# Altium PCB EPS.PcbDoc (part 11 of 11)
Units mm, origin at the board's own origin, x right, y up, seen from the top; angles counter-clockwise.
Board outline 90.25 x 93.64 mm, 8 copper layers (Top Layer, PGND, Power, Control Signals 1, Control Signals 2, Signal 1, Signal 2, Bottom Layer), stack 1.637 mm thick; 941 components, 557 nets, 2694 pads, 869 vias.
Unrouted connection lines stored in the file: 2.
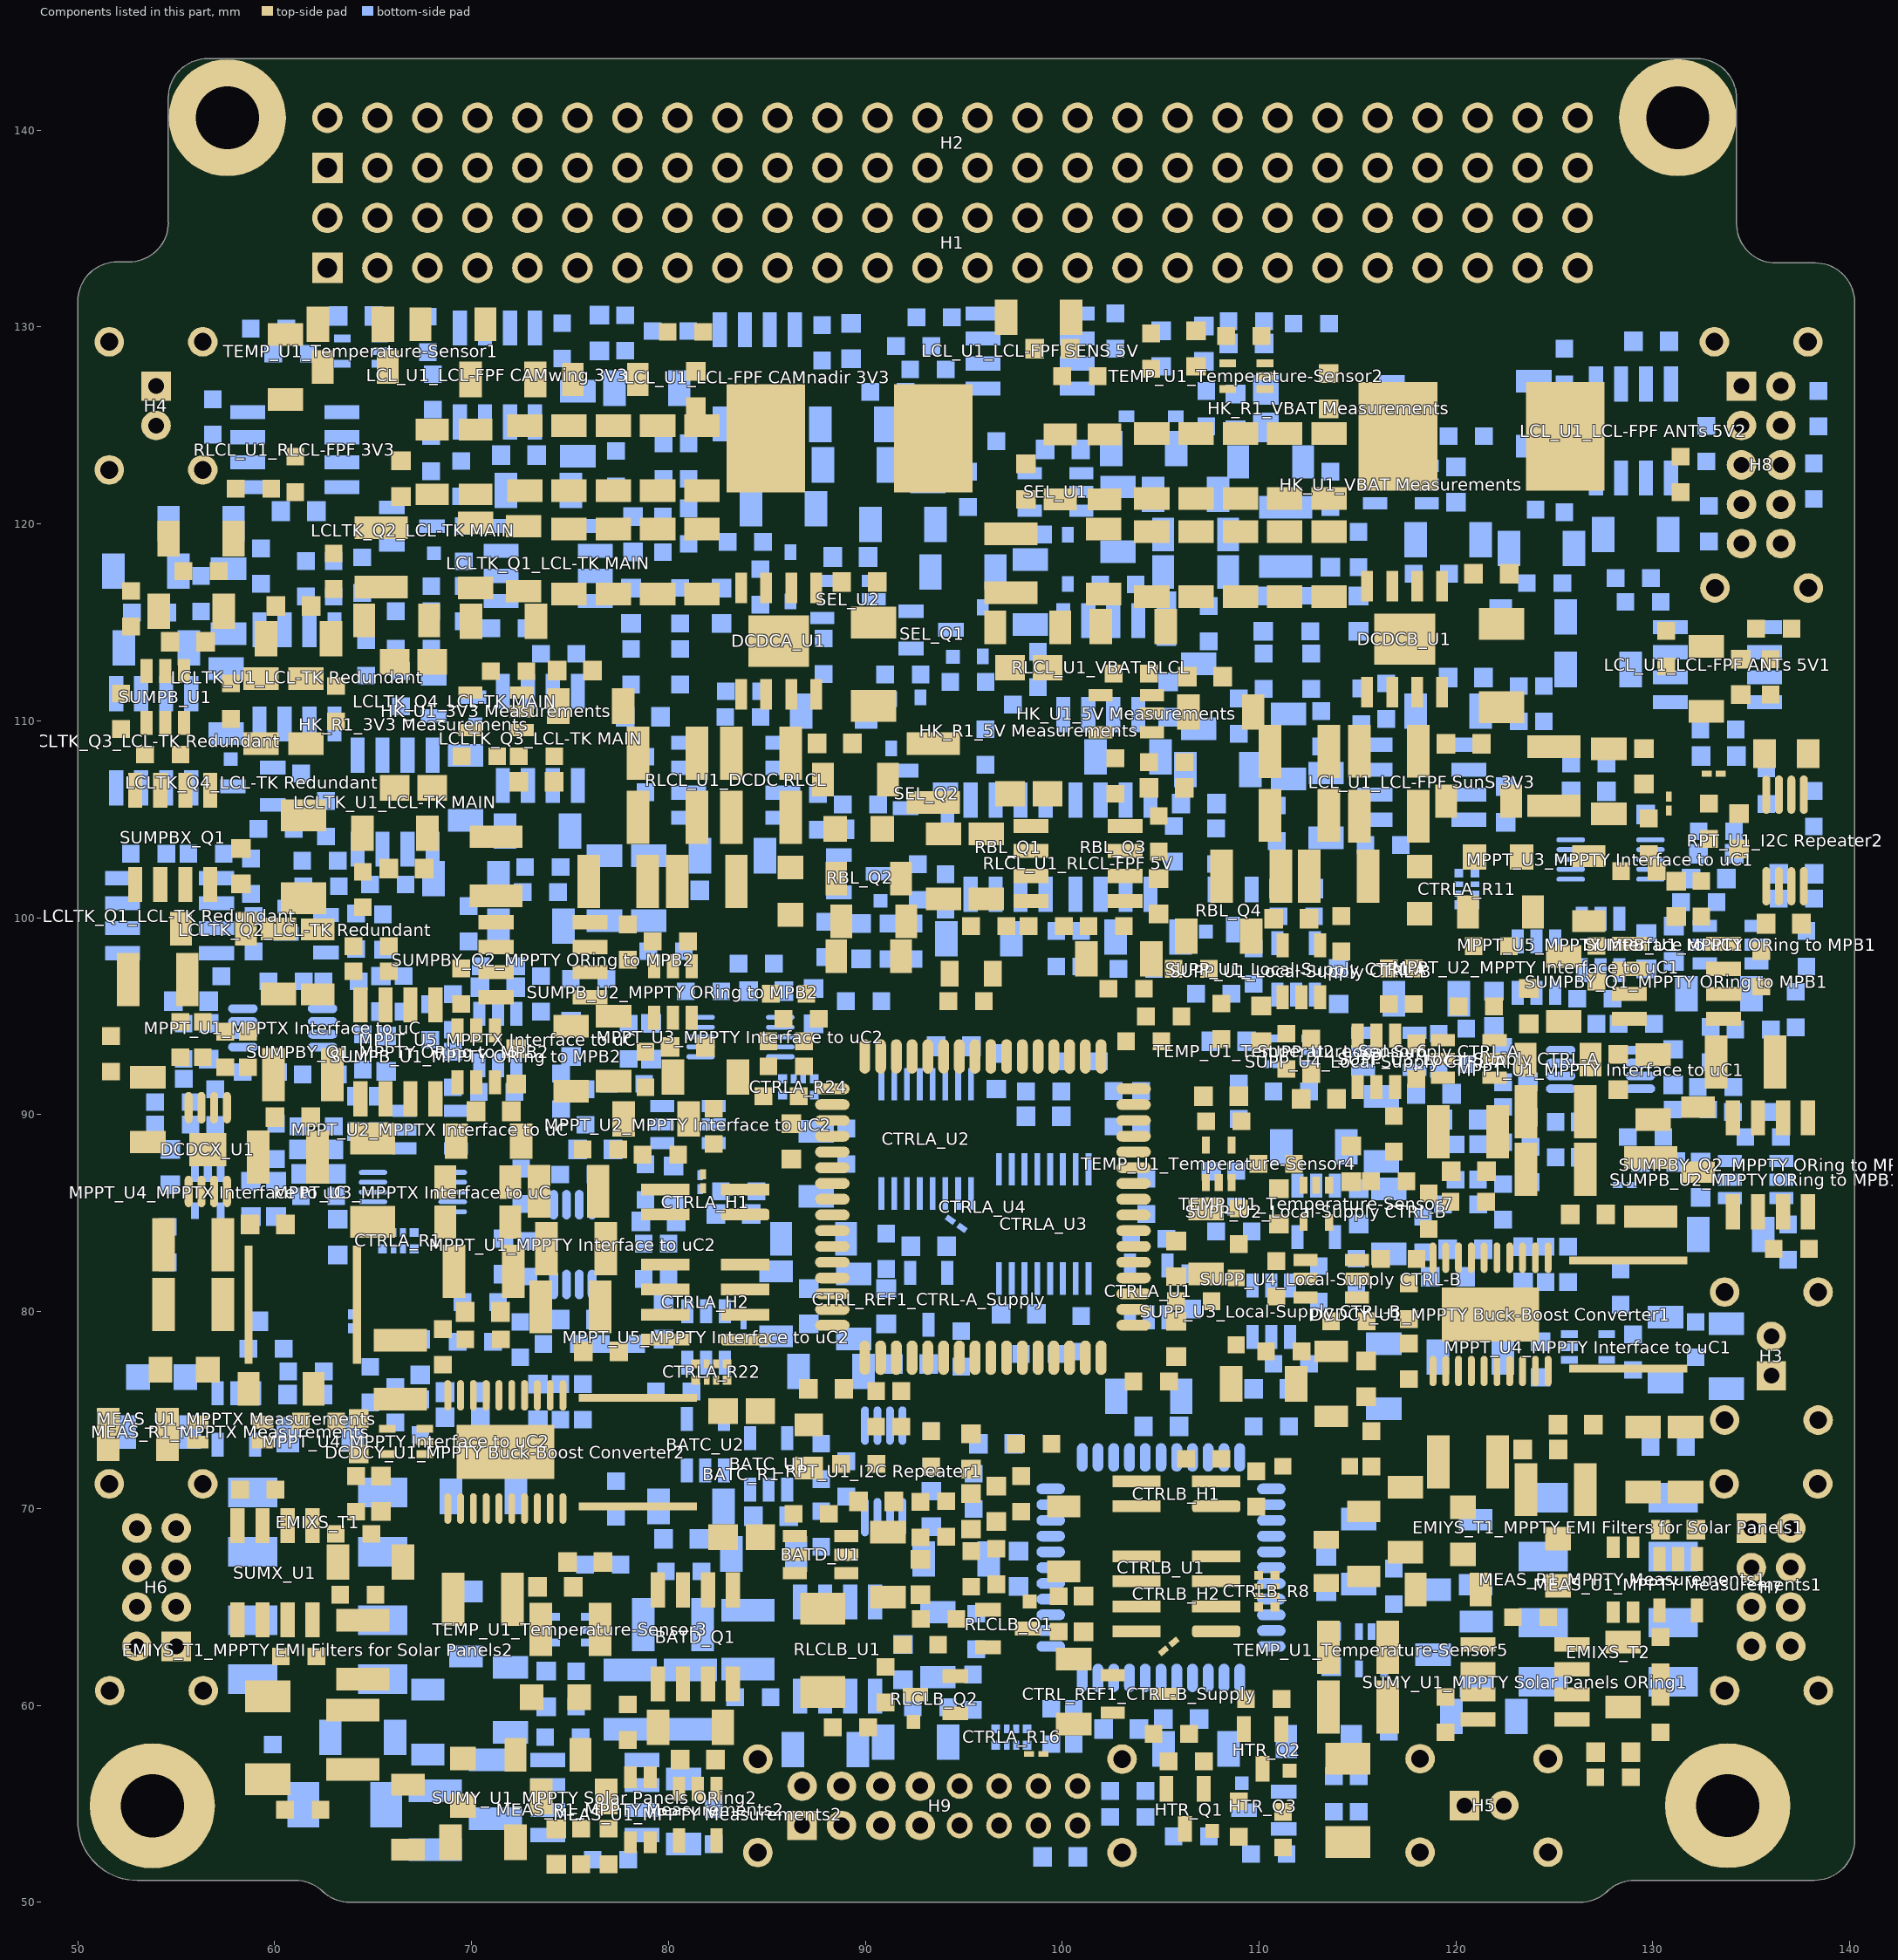
[diagram p17: the components of this part, seen from the top]

## Other copper (continued)
Signal 2:
  region net "NetHK_R1_5V Measurements_4": 97.028,108.966 97.028,107.823 99.568,107.823 99.568,108.966
  region net "NetHK_R1_5V Measurements_4": 128.27,123.825 129.667,123.825 129.667,125.222 128.27,125.222
  region net "NetHK_R1_5V Measurements_4": 95.631,126.619 95.631,125.349 96.774,125.349 96.774,126.619
  region net NetBATC_R1_4: 56.261,108.585 56.261,107.315 57.277,107.315 57.277,108.585
  region net "NetEMIYS_C1_MPPTY EMI Filters for Solar Panels2_1": 62.738,52.959 63.881,52.959 63.881,53.848 62.611,53.848
  region net "NetHK_R1_3V3 Measurements_4": 68.58,107.066 68.58,106.172 70.866,106.172 70.866,107.066
  region net NetBATC_R1_4: 59.182,106.934 59.182,106.426 60.325,106.426 60.325,106.934
  region net NetBATC_R1_4: 84.074,59.182 83.693,58.674 84.455,58.42 84.709,58.928
  region net NetBATC_R1_4: 81.788,73.66 81.788,72.898 83.185,72.898 83.185,73.66
  text "7" at 130.302,133.096 h1
Control Signals 1:
  region net NetBATC_R1_4: 83.566,58.674 84.455,58.42 84.582,58.928 83.947,59.055
  region net NetBATC_R1_4: 132.842,77.724 132.842,76.454 134.249,76.454 134.249,77.724
  text "4" at 130.302,133.096 h1
Control Signals 2:
  text "5" at 130.302,133.096 h1
Bottom Layer:
  region net PGND: 111.5,111.55 111.5,110.35 111.651,110.501 113.03,110.501 113.03,111.241 112.649,111.622
  region net "NetHK_R1_5V Measurements_4": 130.937,120.269 130.937,118.745 131.826,118.745 131.826,120.269
  region net "NetHK_R1_5V Measurements_4": 95.631,126.619 95.631,125.349 96.647,125.349 96.647,126.619
  region net PGND: 108.585,130.238 108.585,129.095 108.458,128.969 108.077,128.969 108.077,130.238
  region net DGND: 114.236,64.643 114.236,65.913 114.49,65.913 115.506,65.913 115.887,65.913 115.887,64.643
  region net PGND: 114.173,94.488 114.173,93.726 114.935,93.218 114.173,92.71 114.173,91.948 113.411,91.948 113.411,92.837 113.03,93.218 113.411,93.599 113.411,94.488
  region net PGND: 118.745,96.774 118.745,94.996 120.142,94.996 120.142,96.774
  region net "NetSUPP_C4_Local-Supply CTRL-A_2": 110.236,97.028 114.935,97.028 114.935,95.25 115.824,95.25 115.824,99.314 114.554,100.584 113.665,100.584 113.665,97.663 112.141,97.663 112.141,99.187 111.633,99.187 111.633,97.663 110.49,97.663
  region net NetLS_C1_1: 100.584,96.774 100.584,96.012 102.108,96.012 102.108,96.774
  region net DGND: 88.078,76.2 88.078,80.899 88.773,78.613 89.661,78.105 89.661,76.2
  region net NetH8_1: 136.462,110.109 136.462,109.347 137.605,109.347 137.605,110.109
  region net PGND: 100.938,123.787 100.967,123.758 100.967,122.578 101.37,122.578 102.579,123.787
  region net PGND: 94.195,59.017 94.195,57.239 95.339,57.239 95.719,57.619 95.719,58.763 95.465,59.017 95.465,59.779 94.577,59.779 94.576,59.398
  region net PGND: 118.707,80.734 118.707,78.956 123.279,78.956 123.787,78.448 123.787,77.813 124.803,77.813 125.565,78.067 125.565,78.321 125.057,78.448 124.803,78.702 124.803,80.734
  region net "NetEMIYS_C2_MPPTY EMI Filters for Solar Panels1_1": 117.945,65.621 117.945,64.478 118.326,64.097 119.215,64.097 119.596,64.478 119.596,65.113 120.104,65.621 121.755,65.621 121.755,66.383 117.945,66.383
  region net PGND: 117.945,62.954 119.723,62.954 119.723,62.065 119.088,61.2 118.302,61.2 117.945,61.557
  region net PGND: 78.549,71.882 77.279,72.898 78.549,73.914 79.947,72.898
  region net PGND: 58.763,90.64 58.763,89.624 59.525,89.624 59.525,90.64
  region net PGND: 58.89,87.846 58.255,88.1 58.509,89.116 59.144,88.862
  region net PGND: 60.414,80.353 61.43,81.623 62.446,80.353 61.43,78.956
  region net PGND: 52.921,84.671 52.921,78.575 53.683,78.575 53.683,84.671
  region net PGND: 56.546,87.338 56.682,87.338 57.429,88.192 57.429,88.367 55.715,88.367 55.715,88.235
  region net PGND: 67.526,128.994 67.526,127.47 69.05,127.47 69.05,128.105 68.161,128.994
  region net PGND: 123.279,66.383 123.279,68.669 122.262,68.669 122.262,66.383
  region net PGND: 123.698,58.547 124.422,59.271 124.422,59.779 124.041,59.906 123.659,59.906 123.659,62.066 123.152,62.573 122.428,62.573 122.428,58.547
  region net PGND: 69.939,56.985 73.876,56.985 73.876,59.144 70.574,59.144 69.939,58.509
  region net PGND: 62.445,56.834 62.445,59.882 61.048,59.882 61.048,56.834
  region net PGND: 64.097,73.241 65.875,71.463 65.875,70.066 67.272,70.066 67.272,71.666 64.3,74.638 64.097,74.638
  region net PGND: 65.875,65.748 65.875,62.954 67.145,62.954 67.145,65.748
  region net "NetLCLTK_C1_LCL-TK MAIN_1": 101.8,109.055 100.165,109.055 100.165,107.277 101.8,107.277
  region net "NetLCLTK_C1_LCL-TK MAIN_1": 81.1,99.875 81.1,100.3 81.8,101.131 83.185,99.746 83.185,98.933 83.058,98.806 82.169,98.806
  region net NetEMIAA_C1_1: 87.3,104.5 86.2,105.3 85.1,105 86.1,104
  region net NetEMIAA_C1_1: 83.798,100.098 85.217,98.679 87.35,100.812 87.35,104.3 86.1,104.3 86.1,102.4
  region net PC-104_LCL_VBAT: 119.2,131.7 119.2,129.9 119.7,129.2 120.4,129.9 120.4,131.7
  region net PGND: 118,122.65 120.1,122.65 121.539,122.301 121.539,123.444 120,123.15 118,123.15
  region net "NetLCLTK_C1_LCL-TK MAIN_1": 95.212,104.864 95.72,103.848 104.102,103.848 104.61,104.864
  region net NetH8_1: 134.5,127 134.5,127.5 133.75,127.5 130.96,129.051 130.96,127
  region net "NetLCLTK_C1_LCL-TK MAIN_1": 69.1,100.215 69.1,101.588 68.58,102.108 67.564,102.108 67.564,99.568 68.453,99.568
  region net NetEMIXS_C2_1: 68.961,61.646 69.547,61.06 72.86,61.06 72.86,62.446 70.828,62.446 70.32,62.954 68.961,62.954
  region net NetEMIXS_C2_1: 117.945,59.017 118.415,58.547 120.358,58.547 120.358,60.071 120.955,60.668 121.755,60.668 121.755,61.468 120.396,61.468 119.342,60.414 118.326,60.414 117.945,60.033
  region net PGND: 66.891,51.27 69.431,51.27 69.431,52.921 66.891,52.921
  region net PGND: 75.908,100.8 75.908,102.197 74.511,102.197 74.638,102.07 74.638,100.8
  region net PGND: 74.892,73.749 74.892,71.971 68.796,71.971 68.796,73.749
  region net PGND: 76.924,64.986 76.924,64.351 76.416,63.843 76.924,63.335 76.924,62.7 77.686,62.7 77.686,64.986
  region net "NetSUPP_C3_Local-Supply CTRL-A_2": 114.986,89.637 115.799,89.637 116.078,89.916 116.84,90.678 115.519,90.678 114.768,89.927
  region net PGND: 73.914,89.027 73.914,88.011 74.549,88.011 74.549,89.027
  region net PGND: 65.659,80.137 67.183,80.137 67.183,79.375 65.659,79.375
  region net PGND: 67.691,82.296 67.691,81.153 68.326,81.153 68.326,82.296
  region net PGND: 77.089,80.899 77.089,79.396 77.597,79.396 77.597,80.899
  region net PGND: 92.964,109.474 94.234,109.474 95.123,109.855 94.996,110.49 93.98,111.125 92.71,109.982
  region net "NetHK_R1_5V Measurements_4": 97.536,108.077 99.187,108.077 99.187,108.712 97.536,108.712
  region net AGND: 80.01,85.852 80.01,84.836 82.677,84.836 83.058,85.852
  region net PGND: 64.008,109.601 65.532,109.601 65.532,110.363 64.008,110.363
  region net "NetLCLTK_C4_LCL-TK Redundant_2": 63.944,110.744 65.532,110.744 65.532,111.506 63.944,111.506
  region net PC-104_LCL_SAILMAIN: 75.184,118.63 75.184,117.348 74.772,117.348 74.73,117.39 74.73,118.63
  region net PC-104_LCL_SADSRED: 56.007,110.49 56.642,110.49 56.642,111.506 56.007,111.506
  region net PC-104_LCL_SADSMAIN: 72.898,105.283 73.152,104.775 73.406,104.775 73.66,105.029 73.406,105.537
  text "2017" at 59.284,134.112 h1
  text "BOT" at 131.826,133.096 h1
  text "PW-Sat2" at 58.776,131.166 h1

## Silkscreen, mask and mechanical layers (free items; w line width, h text height)
Mechanical 1:
  lines w0.127: 54.595,135.311 54.594,141.542 54.594,141.635 cw(c56.594,141.636) 56.594,143.636 ; 54.6,135.311 cw(c52.6,135.31) 52.6,133.31 52,133.31 ccw(c52,131.31) 50,131.31 50,54.128 ccw(c53.018,54.128) 53.018,51.11 61.05,51.11 cw(c61.05,49.11) 62.432,50.555 ccw(c63.815,52) 63.815,50 126.3,49.998 ccw(c126.3,51.998) 127.686,50.556 cw(c129.071,49.114) 129.072,51.114 138.037,51.113 138.209,51.117 ccw(c138.209,53.157) 140.249,53.157 140.249,131.255 ccw(c138.249,131.255) 138.249,133.255 136.249,133.255 cw(c136.249,135.255) 134.249,135.255 134.249,141.567 134.249,141.631 ccw(c132.249,141.631) 132.249,143.631 ; 56.604,143.636 132.249,143.636

## Text inside footprints (layer, text, board x,y; h text height)
CTRLA_H1: Top Overlay "1" at 82.345,85.175 h0.5 r180
CTRLA_H2: Top Overlay "1" at 82.345,78.825 h0.5 r180
CTRLB_H1: Top Overlay "1" at 106.273,70.355 h0.5 r180
CTRLB_H2: Top Overlay "1" at 106.273,64.005 h0.5 r180